# KiCad board 8851_HW-U1-VCU118_REV2-0_071417.kicad_pcb (continued)
## Routing (per net, layer and track width the routed paths; a pad name or vN(x,y) marks a point on that pad's centre or on a via; arc(x,y) is an arc through that point) (continued)
DDR4_C2_DQ40: length 37.4
  TOP w0.15: 152.71,74.17 v1(152.32,74.56) ; v2(137.04,78.59) 136.55,78.09
  05_SIG2 w0.17: v1(152.32,74.56) 151.72,73.96 151.54,73.96 ; 140.1,77.3 139.95,77.46 139.65,77.46 139.31,77.11 138.81,77.11 138.52,77.4 138.52,77.8 138.23,78.09 137.81,78.09 137.32,78.59 v2(137.04,78.59)
  05_SIG2 w0.258: 151.54,73.96 149.86,73.96 149.28,74.54 148.62,74.54 148.21,74.14 147.92,74.14 147.02,75.03 141.32,75.03 141.14,75.22 141.14,75.57 141.28,75.71 147.66,75.71 147.8,75.86 147.8,76.61 147.66,76.76 146.57,76.76 146.16,76.35 141.6,76.35 141.35,76.59 141.35,77.32 141.22,77.46 140.91,77.46 140.71,77.26 140.71,75.86 140.58,75.73 140.31,75.73 140.1,75.94 140.1,77.3
DDR4_C2_DQ41: length 38.3
  TOP w0.15: v2(138.03,79.57) 137.54,79.08 ; 153.5,78.1 v1(153.11,78.5)
  05_SIG2 w0.17: v2(138.03,79.57) 138.27,79.57 138.76,79.08 140.22,79.08 140.38,78.92 ; v1(153.11,78.5) 152.71,78.1 152.71,77.55 152.72,77.54 152.94,77.32 153.27,77.32 153.5,77.09 153.5,76.58 153.59,76.49 154.23,76.49 154.32,76.4 154.32,76.06 154.24,75.98 153.99,75.98 153.91,75.9 153.91,75.69 153.75,75.53 153.61,75.53 153.37,75.77 153.2,75.77 152.96,75.53 151.63,75.53 151.54,75.63
  05_SIG2 w0.258: 140.38,78.92 140.5,78.79 142.35,78.79 142.64,78.51 143.99,78.51 144.13,78.38 144.73,78.38 144.86,78.51 145.52,78.51 145.82,78.21 146.44,78.21 146.6,78.38 146.6,78.65 146.49,78.76 146.22,78.76 146.06,78.92 146.06,79.2 146.17,79.31 146.79,79.31 146.92,79.45 146.92,79.72 146.78,79.86 146.33,79.86 146.2,80 146.2,80.27 146.34,80.41 146.89,80.41 147.01,80.54 147.01,80.82 146.87,80.96 146.12,80.96 145.98,81.1 145.98,81.44 146.14,81.6 146.94,81.6 147.07,81.73 147.07,81.83 147.21,81.97 147.49,81.97 147.62,81.83 147.62,81.4 147.81,81.22 148.16,81.22 148.5,81.55 149.01,81.55 149.19,81.73 149.19,81.82 149.34,81.98 149.62,81.98 149.74,81.85 149.74,81.73 149.88,81.6 151.04,81.6 151.34,81.29 151.34,80.49 151.03,80.17 150.37,80.17 150.2,79.99 150.2,76.67 150.43,76.43 150.9,76.43 151.35,75.99 151.35,75.82 151.54,75.63
DDR4_C2_DQ42: length 33.7
  TOP w0.15: 154.29,74.17 v1(153.9,74.56) ; v2(136.06,80.55) 135.57,80.06
  05_SIG2 w0.17: v2(136.06,80.55) 135.57,80.06 135.57,79.37 135.86,79.08 136.26,79.08 136.55,78.79 136.55,78.38 136.84,78.09 137.25,78.09 137.54,77.8 137.54,77.4 137.82,77.11 138.23,77.11 138.52,76.82 138.52,76.41 138.81,76.12 139.18,76.12 140.27,75.03 140.38,75.03 ; 151.54,72.89 152.03,73.38 153.38,73.38 153.5,73.5 153.5,74.17 v1(153.9,74.56)
  05_SIG2 w0.258: 151.54,72.89 151.31,72.67 149.95,72.67 149.21,73.41 147.46,73.41 146.48,74.39 142.77,74.39 142.64,74.26 142.64,73.99 142.78,73.85 145.93,73.85 146.07,73.71 146.07,73.47 145.89,73.3 142.11,73.3 140.38,75.03
DDR4_C2_DQ43: length 34.8
  TOP w0.15: v2(137.04,81.54) 136.55,81.05 ; 154.29,77.32 v1(153.9,76.92)
  05_SIG2 w0.17: 152.71,80.01 152.71,79.12 152.95,78.89 153.33,78.89 153.5,78.72 153.5,78.25 153.65,78.1 154.14,78.1 154.29,77.96 154.29,77.32 v1(153.9,76.92) ; 140.38,80.98 140.05,80.98 139.94,81.09 139.94,81.73 139.88,81.79 139.61,81.79 139.52,81.7 139.52,81.14 139.43,81.05 137.54,81.05 v2(137.04,81.54)
  05_SIG2 w0.258: 152.71,80.01 152.71,80.63 152.92,80.84 153.92,80.84 154.27,81.19 154.27,81.69 153.81,82.15 152.99,82.15 150.81,84.33 147.53,84.33 147.32,84.12 147.32,83.9 147.18,83.77 146.91,83.77 146.77,83.9 146.77,84.16 146.63,84.3 146.36,84.3 146.22,84.16 146.22,83.9 146.08,83.77 145.81,83.77 145.67,83.9 145.67,84.16 145.53,84.3 145.26,84.3 145.12,84.16 145.12,83.9 144.98,83.77 144.39,83.77 143.83,84.32 142.73,84.32 141.65,83.24 141.65,81.1 141.53,80.98 141.18,80.98 141.08,81.08 141.08,81.79 140.96,81.91 140.65,81.91 140.5,81.76 140.5,81.08 140.4,80.98 140.38,80.98
DDR4_C2_DQ44: length 36.2
  TOP w0.15: v2(135.08,79.57) 134.58,79.08 ; 154.29,73.38 v1(153.9,72.99)
  05_SIG2 w0.17: v2(135.08,79.57) 135.08,79.35 135.57,78.86 135.57,78.38 135.86,78.09 136.26,78.09 136.55,77.8 136.55,77.4 136.84,77.11 137.25,77.11 137.54,76.82 137.54,76.41 137.82,76.12 138.23,76.12 138.52,75.84 138.52,75.43 138.81,75.14 139.22,75.14 140.38,73.98 ; v1(153.9,72.99) 153.9,72.81 153.5,72.42 153.5,71.76
  05_SIG2 w0.258: 140.38,73.98 142.8,71.56 143.56,71.56 143.7,71.69 143.7,72.52 143.84,72.66 147.05,72.66 147.18,72.52 147.18,72.25 147.04,72.11 144.39,72.11 144.25,71.97 144.25,71.69 144.39,71.56 147.65,71.56 147.81,71.72 147.81,72.58 147.96,72.72 148.8,72.72 149.01,72.51 149.01,72.13 149.42,71.72 149.88,71.72 150.44,71.16 151.37,71.16 151.59,70.93 151.59,70.68 151.82,70.45 152.14,70.45 152.37,70.68 152.37,70.93 152.59,71.16 153.12,71.16 153.5,71.54 153.5,71.76
DDR4_C2_DQ45: length 37.5
  TOP w0.15: 154.29,78.1 v1(153.9,78.5) ; v2(135.08,80.55) 134.58,80.06
  05_SIG2 w0.17: 140.38,73.04 139.26,74.16 138.81,74.16 138.52,74.44 138.52,74.85 138.23,75.14 137.82,75.14 137.54,75.43 137.54,75.84 137.25,76.12 136.84,76.12 136.55,76.41 136.55,76.82 136.26,77.11 135.86,77.11 135.57,77.4 135.57,77.8 135.28,78.09 134.87,78.09 134.58,78.38 134.58,79.81 135.08,80.3 v2(135.08,80.55) ; v1(153.9,78.5) 154.29,78.89 154.86,78.89 155.08,78.68 155.08,75.52 154.29,74.73 154.29,71.76
  05_SIG2 w0.258: 154.29,71.76 154.29,71.45 152.83,70 150.26,70 149.12,71.13 148.14,71.13 147.92,70.92 142.5,70.92 140.38,73.04
DDR4_C2_DQ46: length 38.9
  TOP w0.15: v2(136.06,79.57) 135.57,79.08 ; 155.08,74.17 v1(154.68,74.56)
  05_SIG2 w0.17: 140.38,84.12 139.27,83.01 138.81,83.01 138.52,82.73 138.52,82.32 138.23,82.03 136.84,82.03 136.55,81.74 136.55,80.06 v2(136.06,79.57) ; 156.09,80.01 156.65,79.45 156.65,73.61 156.42,73.38 156.09,73.38 155.86,73.15 155.86,72.82 155.63,72.59 155.31,72.59 155.08,72.82 155.08,74.17 v1(154.68,74.56)
  05_SIG2 w0.258: 156.09,80.01 156.09,80.74 155.5,81.33 155.5,81.84 151.66,85.68 141.94,85.68 140.38,84.12
DDR4_C2_DQ47: length 37.8
  TOP w0.15: 155.08,77.32 v1(154.68,76.92) ; v2(137.04,79.57) 136.55,79.08
  05_SIG2 w0.17: v1(154.68,76.92) 154.68,75.62 154.12,75.05 152.03,75.05 151.74,74.76 151.54,74.76 ; 140.38,78.09 138.81,78.09 138.52,78.38 138.52,78.79 138.23,79.08 137.54,79.08 v2(137.04,79.57)
  05_SIG2 w0.258: 151.54,74.76 151.4,74.76 151.02,75.14 150.59,75.14 150.42,75.31 149.4,75.31 148.98,75.72 148.98,76.01 149.35,76.38 149.35,76.65 148.94,77.06 148.94,77.37 149.43,77.86 149.43,78.22 149.33,78.32 149.05,78.32 148.91,78.46 148.91,78.74 149.03,78.87 149.4,78.87 149.55,79.02 149.55,79.29 149.43,79.42 149.07,79.42 148.93,79.56 148.93,79.84 149.06,79.97 149.28,79.97 149.55,80.23 149.55,80.65 149.41,80.78 149,80.78 148.87,80.65 148.87,80.49 148.76,80.39 147.76,80.39 147.59,80.21 147.59,79.4 147.88,79.11 147.88,78.59 147.59,78.3 147.59,77.6 147.4,77.41 146.04,77.41 145.93,77.3 145.93,77.14 145.78,76.99 145.51,76.99 145.38,77.11 145.38,77.59 145.24,77.73 144.96,77.73 144.83,77.6 144.83,77.14 144.68,76.99 144.41,76.99 144.28,77.11 144.28,77.59 144.14,77.73 143.86,77.73 143.73,77.6 143.73,77.14 143.58,76.99 143.31,76.99 143.18,77.11 143.18,77.72 143.04,77.87 142.77,77.87 142.63,77.73 142.63,77.14 142.48,76.99 142.21,76.99 142.08,77.11 142.08,77.93 141.92,78.09 140.38,78.09
DDR4_C2_DQ48: length 73
  TOP w0.15: 134.58,77.11 v2(135.08,77.6) ; 157.44,87.25 v1(157.05,86.86)
  07_SIG3 w0.17: 129.66,88.08 129.66,79.44 130.03,79.08 130.36,79.08 130.65,78.79 130.65,78.38 130.93,78.09 131.34,78.09 131.63,77.8 131.63,77.4 131.92,77.11 132.33,77.11 132.62,76.82 132.62,76.41 132.9,76.12 133.31,76.12 133.6,75.84 133.6,75.43 133.89,75.14 134.3,75.14 134.58,75.43 134.58,75.84 134.87,76.12 135.28,76.12 135.57,76.41 135.57,76.82 135.08,77.31 v2(135.08,77.6) ; v1(157.05,86.86) 157.05,86.63 157.44,86.24 157.44,85.91 157.67,85.68 158.84,85.68 159.57,86.41 159.57,86.85 159.98,87.25 160.36,87.25 160.59,87.48 160.59,87.81 160.82,88.04 161.16,88.04 161.38,88.26 161.38,93.88
  07_SIG3 w0.258: 161.38,93.88 157.2,98.06 154.66,98.06 153.94,98.77 146.98,98.77 146.84,98.64 141.89,98.64 141.62,98.9 140.53,98.9 138.04,96.41 135.22,96.41 129.66,90.86 129.66,88.08
DDR4_C2_DQ49: length 72.9
  TOP w0.15: 134.58,78.09 v2(135.08,78.59) ; 156.65,91.19 v1(156.26,90.8)
  07_SIG3 w0.17: 130.57,89.52 130.57,87.73 130.65,87.66 130.65,79.44 131.01,79.08 131.23,79.08 131.63,78.68 131.63,78.45 131.99,78.09 132.24,78.09 132.62,77.71 132.62,77.49 133,77.11 133.25,77.11 133.6,76.76 133.6,76.41 133.89,76.12 134.3,76.12 134.58,76.41 134.58,78.09 v2(135.08,78.59) ; v1(156.26,90.8) 156.65,91.19 158,91.19 158.23,90.96 158.23,87.48 158,87.25 157.67,87.25 157.44,87.02 157.44,86.7 157.67,86.47 158.78,86.47 159.15,86.83 159.15,87.16 160.03,88.04 160.36,88.04 160.59,88.27 160.59,93.77 160.48,93.88
  07_SIG3 w0.258: 130.57,89.52 130.57,90.87 135.47,95.77 138.59,95.77 140.46,97.63 144.13,97.63 144.34,97.41 144.92,97.41 145.52,98.01 147.1,98.01 147.23,98.14 153.68,98.14 154.22,97.6 154.22,97.27 154.67,96.82 157.54,96.82 160.48,93.88
  vias: v1(157.05,87.65)
DDR4_C2_DQ50: length 69.4
  TOP w0.15: 158.23,88.04 v1(157.83,88.43) ; v2(134.09,80.55) 133.6,80.06
  07_SIG3 w0.17: v2(134.09,80.55) 134.01,80.47 134.01,80.2 134.18,80.03 135.33,80.03 135.57,80.27 135.57,80.92 135.69,81.05 136.26,81.05 136.55,81.33 136.55,81.78 136.81,82.03 137.25,82.03 137.54,82.32 137.54,82.76 137.8,83.02 138.3,83.02 138.57,83.3 138.57,83.6 138.22,83.95 137.83,83.95 137.54,84.25 137.54,86.81 137.65,86.92 138.35,86.92 138.53,86.75 138.53,84.17 138.72,83.97 139.28,83.97 139.5,83.75 139.72,83.75 139.95,83.98 139.95,84.22 139.82,84.35 139.6,84.35 139.47,84.47 139.47,84.69 139.57,84.79 140.27,84.79 140.37,84.89 140.37,85.03 140.23,85.17 139.57,85.17 139.47,85.27 139.47,85.42 139.8,85.75 139.8,86.63 139.65,86.77 139.38,86.77 139.3,86.7 139.3,86.1 139.21,86.01 139.01,86.01 138.89,86.13 138.89,87.03 139.02,87.16 139.23,87.16 139.6,87.52 139.97,87.52 140.22,87.28 140.22,85.72 140.38,85.57 140.38,85.57 ; 151.54,89.45 151.55,89.46 154.95,89.46 155.08,89.6 155.08,90.27 155.21,90.39 155.43,90.39 155.56,90.26 155.56,89.62 155.68,89.49 155.87,89.49 155.97,89.6 155.97,89.8 156.15,89.97 156.3,89.97 156.4,89.88 156.4,89.67 156.52,89.55 156.82,89.55 156.97,89.7 157.46,89.7 157.54,89.78 157.54,90.19 157.63,90.28 157.76,90.28 157.88,90.16 157.88,88.96 157.76,88.85 157.65,88.85 157.54,88.95 157.54,89.2 157.44,89.3 157.37,89.3 157.28,89.21 157.28,88.77 157.45,88.6 157.45,88.46 157.57,88.34 157.74,88.34 v1(157.83,88.43)
  07_SIG3 w0.258: 140.38,85.57 140.59,85.57 140.74,85.72 140.74,86.97 140.89,87.12 141.1,87.12 141.25,86.97 141.25,85.98 141.41,85.83 141.62,85.83 141.77,85.98 141.77,86.97 141.92,87.12 142.13,87.12 142.28,86.97 142.28,85.98 142.44,85.83 142.65,85.83 142.8,85.98 142.8,86.97 142.95,87.12 143.16,87.12 143.31,86.97 143.31,85.98 143.47,85.83 143.68,85.83 143.83,85.98 143.83,86.97 143.98,87.12 144.19,87.12 144.34,86.97 144.34,85.98 144.5,85.83 144.71,85.83 144.86,85.98 144.86,86.97 145.01,87.12 145.22,87.12 145.37,86.97 145.37,85.98 145.53,85.83 145.74,85.83 145.89,85.98 145.89,86.97 146.04,87.12 146.57,87.12 146.78,86.92 146.78,86.76 146.4,86.38 146.4,85.97 146.55,85.83 147.22,85.83 147.41,86.01 147.41,86.77 148.25,87.61 150.91,87.61 151.03,87.72 151.03,89.06 151.42,89.45 151.54,89.45
DDR4_C2_DQ51: length 70.4
  TOP w0.15: 158.23,91.19 v1(157.83,90.8) ; v2(134.09,81.54) 133.6,81.05
  07_SIG3 w0.17: 151.54,91.38 151.54,91.98 151.66,92.09 151.82,92.09 151.9,92.01 151.9,91.37 152.08,91.19 152.6,91.19 152.71,91.31 152.71,93.41 152.9,93.59 155.73,93.59 155.86,93.46 155.86,92.99 155.64,92.77 153.63,92.77 153.5,92.64 153.5,91.35 153.66,91.19 154.06,91.19 154.29,91.42 154.29,91.81 154.45,91.98 155.63,91.98 155.86,91.75 155.86,90.5 155.98,90.38 156.47,90.38 156.57,90.47 156.71,90.47 156.85,90.33 156.85,90.19 156.97,90.07 157.1,90.07 157.19,90.17 157.19,90.31 157.68,90.8 v1(157.83,90.8) ; v2(134.09,81.54) 134.54,81.54 134.62,81.62 134.62,81.85 134.81,82.03 135.28,82.03 135.57,82.32 135.57,82.83 135.76,83.02 136.28,83.02 136.51,83.25 136.51,83.74 136.25,84 135.67,84 135.57,84.1 135.57,87.56 135.25,87.87 135.25,88.01 136.71,89.47 137.1,89.47 137.15,89.52 ; 138.17,89.51 138.15,89.52
  07_SIG3 w0.258: 137.15,89.52 137.47,89.84 137.83,89.84 138.15,89.52 ; 138.17,89.51 147.94,89.51 148.09,89.66 148.09,89.87 147.94,90.02 138.53,90.02 138.13,90.42 138.13,90.74 138.38,90.99 138.69,90.99 139.14,90.55 148.97,90.55 149.12,90.4 149.12,89.53 149.35,89.31 149.55,89.31 149.71,89.46 149.71,90.38 149.88,90.55 150.72,90.55 151.54,91.38
DDR4_C2_DQ52: length 69
  TOP w0.15: 158.23,87.25 v1(157.83,86.86) ; v2(132.12,81.54) 131.63,81.05
  07_SIG3 w0.17: v2(132.12,81.54) 131.8,81.54 131.63,81.71 131.63,87.59 131.33,87.9 131.06,87.9 130.95,88 130.95,89.13 131.35,89.52 ; 159.59,93.88 159.8,93.67 159.8,90.51 160.15,90.16 160.15,90.01 160.04,89.9 159.76,89.9 159.6,90.06 159.48,90.06 159.39,89.97 159.39,89.6 159.46,89.53 160.12,89.53 160.24,89.41 160.24,89.21 160.16,89.13 159.14,89.13 159.01,89 159.01,88.77 159.1,88.69 159.68,88.69 159.77,88.6 159.77,88.38 159.66,88.27 159.09,88.27 158.95,88.13 158.95,87.93 159.11,87.77 159.11,87.59 158.78,87.25 158.46,87.25 158.06,86.86 v1(157.83,86.86)
  07_SIG3 w0.258: 159.59,93.88 157.28,96.19 154.36,96.19 153.75,96.8 151.06,96.8 150.66,97.2 150.36,97.2 149.97,96.8 149.45,96.8 149.22,97.03 147.23,97.03 146.9,97.36 146.66,97.36 146.41,97.1 146.19,97.1 145.94,97.36 145.77,97.36 145.06,96.65 143.97,96.65 143.62,96.99 140.72,96.99 138.76,95.03 138.18,95.03 138.03,94.88 138.03,94.63 137.88,94.47 137.66,94.47 137.51,94.63 137.51,94.96 137.34,95.13 137.14,95.13 137.01,95 137.01,94.8 136.86,94.65 136.65,94.65 136.5,94.8 136.5,95 136.38,95.12 135.85,95.12 135.58,94.84 135.58,94.63 136.05,94.16 136.05,93.95 135.9,93.8 135.68,93.8 135.15,94.33 134.94,94.33 134.79,94.18 134.79,93.97 135.32,93.43 135.32,93.22 135.17,93.07 134.96,93.07 134.42,93.6 134.21,93.6 134.06,93.45 134.06,93.24 134.59,92.7 134.59,92.49 134.44,92.34 134.23,92.34 133.69,92.87 133.48,92.87 133.33,92.72 133.33,92.51 133.86,91.98 133.86,91.76 133.71,91.61 133.5,91.61 132.97,92.15 132.75,92.15 132.6,92 132.6,91.78 133.13,91.25 133.13,91.03 132.98,90.88 132.77,90.88 132.24,91.42 132.02,91.42 131.87,91.27 131.87,91.05 132.41,90.52 132.41,90.31 132.26,90.16 132.04,90.16 131.55,90.65 131.34,90.65 131.22,90.53 131.22,90.23 131.47,89.97 131.47,89.65 131.35,89.52
DDR4_C2_DQ53: length 69.3
  TOP w0.15: v2(133.11,81.54) 132.62,81.05 ; 158.23,91.98 v1(157.83,92.37)
  07_SIG3 w0.17: 157.91,93.74 158.23,93.42 158.23,93 157.83,92.61 v1(157.83,92.37) ; v2(133.11,81.54) 133.11,81.99 133.17,82.06 133.52,82.06 133.6,82.14 133.6,82.87 133.78,83.05 134.34,83.05 134.53,83.24 134.53,83.74 134.29,83.98 133.79,83.98 133.6,84.17 133.6,87.66 133.84,87.91 134.09,87.91 134.2,88.01 134.2,88.15 133.69,88.66 133.55,88.66 133.42,88.53 133.42,88.39 133.54,88.27 133.54,88.13 133.44,88.03 133.29,88.03 133.18,88.14 133.04,88.14 132.86,87.96 132.72,87.96 132.62,88.06 132.62,88.2 132.91,88.5 132.91,88.71 133.02,88.82 133.23,88.82 133.31,88.9 133.31,89.04 133.11,89.24 133.11,89.37 133.21,89.47 133.36,89.47 134.44,88.4 134.58,88.4 134.82,88.63 134.82,88.77 134.42,89.17 134.42,89.31 134.52,89.41 134.66,89.41 135.06,89.01 135.2,89.01 135.38,89.2 135.38,89.32 135.22,89.48 135.22,89.63 135.47,89.88
  07_SIG3 w0.258: 157.91,93.74 157.47,94.18 157.23,94.18 157.08,94.03 156.84,94.03 156.69,94.19 156.69,94.35 156.89,94.55 156.89,94.76 156.72,94.92 153.75,94.92 153.17,95.51 150.76,95.51 150.2,94.95 150.2,91.95 150.09,91.83 149.73,91.83 149.62,91.94 149.62,94.74 149.46,94.9 149.24,94.9 149.07,94.74 149.07,91.98 148.93,91.83 148.68,91.83 148.53,91.99 148.53,95.16 148.35,95.34 147.77,95.34 147.6,95.17 147.6,95 147.93,94.67 147.93,93.16 147.61,92.85 147.61,92.64 147.72,92.53 147.72,92.32 147.57,92.17 147.36,92.17 147.25,92.28 147.04,92.28 146.59,91.83 145.2,91.83 144.69,92.34 144.48,92.34 144.08,91.94 143.86,91.94 143.71,92.09 143.71,92.3 144.11,92.7 144.11,92.92 143.9,93.13 143.9,93.95 143.79,94.07 143.36,94.07 143.22,94.21 143.22,94.47 143.4,94.65 143.9,94.65 144.1,94.85 144.1,95.08 143.95,95.23 142.65,95.23 142.64,95.24 141.34,95.24 140.49,94.39 140.49,93.54 139.94,92.99 138.57,92.99 135.47,89.88
DDR4_C2_DQ54: length 72.2
  TOP w0.15: v2(133.11,79.57) 132.62,79.08 ; 159.01,88.04 v1(158.62,88.43)
  07_SIG3 w0.17: 158.67,93.88 159.01,93.54 159.01,92.89 158.89,92.77 158.46,92.77 158.23,92.54 158.23,92.21 158.46,91.98 158.89,91.98 159.01,91.85 159.01,90.45 158.91,90.35 158.67,90.35 158.57,90.26 158.57,90.06 158.67,89.96 158.94,89.96 159.04,89.87 159.04,89.55 158.97,89.48 158.69,89.48 158.62,89.41 v1(158.62,88.43) ; 132.72,89.52 132.6,89.41 131.85,89.41 131.62,89.19 131.62,89.02 131.72,88.92 132.5,88.92 132.6,88.82 132.6,88.68 132.5,88.58 131.64,88.58 131.52,88.46 131.52,88.21 131.7,88.02 132.2,88.02 132.62,87.61 132.62,84.24 132.85,84 133.31,84 133.57,83.74 133.57,83.31 133.25,82.99 132.75,82.99 132.62,82.85 132.62,81.19 132.45,81.02 131.82,81.02 131.62,80.83 131.62,79.27 131.82,79.08 132.35,79.08 132.55,79.28 132.55,80 132.68,80.12 132.97,80.12 133.11,79.99 v2(133.11,79.57)
  07_SIG3 w0.258: 158.67,93.88 156.99,95.56 154.1,95.56 153.72,95.94 153.49,96.17 150.49,96.17 149.88,95.55 149.18,95.55 148.76,95.97 147.28,95.97 146.79,96.46 146.05,96.46 145.58,95.99 143.9,95.99 143.77,95.86 142.91,95.86 142.75,96.02 142.75,96.17 142.6,96.33 142.38,96.33 142.23,96.17 142.23,96.02 142.08,95.87 141.87,95.87 141.72,96.02 141.72,96.2 141.57,96.35 141.35,96.35 141.2,96.2 141.2,96.02 140.61,95.42 140.06,95.42 139.71,95.08 139.71,94.7 139.85,94.56 139.85,93.8 139.73,93.68 139.3,93.68 139.22,93.75 139.22,94.2 139.07,94.35 138.77,94.35 138.63,94.22 138.63,93.95 137.91,93.22 137.65,93.22 137.39,93.49 137.39,93.84 137.2,94.02 137,94.02 136.61,93.63 136.61,93.41 137.23,92.79 137.23,92.58 137.08,92.43 136.87,92.43 136.25,93.05 136.03,93.05 135.88,92.9 135.88,92.69 136.5,92.07 136.5,91.85 136.35,91.7 136.14,91.7 135.52,92.32 135.31,92.32 135.15,92.17 135.15,91.96 135.77,91.34 135.77,91.12 135.62,90.97 135.41,90.97 134.79,91.59 134.58,91.59 134.43,91.44 134.43,91.23 135.05,90.61 135.05,90.4 134.9,90.25 134.68,90.25 134.06,90.87 133.85,90.87 133.7,90.71 133.7,90.5 134.32,89.88 134.32,89.67 134.17,89.52 133.95,89.52 133.33,90.14 133.12,90.14 132.97,89.99 132.97,89.77 132.72,89.52
DDR4_C2_DQ55: length 72.1
  TOP w0.15: 159.01,91.19 v1(158.62,90.8) ; v2(133.11,80.55) 132.62,80.06
  07_SIG3 w0.17: v2(133.11,80.55) 132.87,80.8 132.87,80.98 132.99,81.1 133.35,81.1 133.6,81.35 133.6,81.74 133.89,82.03 134.3,82.03 134.58,82.32 134.58,82.9 134.73,83.05 135.35,83.05 135.55,83.24 135.55,83.73 135.3,83.98 134.75,83.98 134.58,84.15 134.58,87.81 136.07,89.3 136.07,89.57 ; 151.52,92.47 151.75,92.47 151.88,92.6 151.88,93.52 151.72,93.67 151.55,93.67 151.45,93.58 151.45,93 151.35,92.9 150.93,92.9 150.8,93.02 150.8,93.25 151.07,93.52 151.07,93.83 150.8,94.1 150.8,94.7 150.95,94.85 151.18,94.85 151.3,94.72 151.65,94.72 151.78,94.85 152.03,94.85 152.12,94.75 152.12,94.4 151.97,94.25 151.97,93.95 152.24,93.69 152.43,93.69 152.53,93.79 152.53,94.78 152.63,94.88 152.95,94.88 153.1,94.73 153.1,94.57 152.87,94.35 152.87,94.04 152.97,93.94 153.16,93.94 153.26,94.04 153.26,94.28 153.35,94.38 153.54,94.38 153.64,94.28 153.64,94.04 153.74,93.94 153.91,93.94 154.01,94.04 154.01,94.23 154.11,94.33 154.3,94.33 154.4,94.23 154.4,94.04 154.5,93.94 154.68,93.94 154.78,94.04 154.78,94.23 154.88,94.33 155.08,94.33 155.18,94.23 155.18,94.05 155.28,93.94 155.49,93.94 155.58,94.03 155.58,94.22 155.67,94.31 155.88,94.31 155.99,94.21 155.99,94.02 156.41,93.6 157.35,93.6 157.44,93.51 157.44,92.89 157.32,92.77 156.09,92.77 155.86,92.53 155.86,92.21 156.09,91.98 158,91.98 158.23,91.75 158.23,91.42 158.62,91.03 v1(158.62,90.8)
  07_SIG3 w0.258: 151.52,92.47 151.2,92.47 150.99,92.27 150.99,91.73 150.46,91.2 148.4,91.2 148.03,91.58 147.8,91.58 147.43,91.2 143.7,91.2 143.24,91.65 142.71,91.65 142.26,91.2 139.39,91.2 139.16,91.43 139.16,91.65 139.31,91.8 142.18,91.8 142.35,91.98 142.35,92.2 142.23,92.32 141.25,92.32 141.16,92.41 141.16,92.58 141.52,92.94 142.31,92.94 142.71,92.54 143.04,92.54 143.26,92.75 143.26,93.23 142.99,93.49 141.97,93.49 141.82,93.64 141.82,93.86 141.97,94.01 142.46,94.01 142.56,94.1 142.56,94.51 142.46,94.61 141.63,94.61 141.12,94.1 141.12,93.27 140.6,92.75 140.6,92.47 140.47,92.35 138.84,92.35 136.07,89.57
DDR4_C2_DQ56: length 57.7
  TOP w0.15: 131.63,76.12 v2(132.12,76.62) ; 152.71,88.04 v1(152.32,88.43)
  14_SIG4 w0.087: v1(152.32,88.43) 152.71,88.04 152.71,85.63 ; v2(132.12,76.62) 132.12,76.91 132.62,77.4 132.62,77.8 132.9,78.09 133.31,78.09 133.6,78.38 133.6,78.79 133.89,79.08 134.3,79.08 134.58,79.37 134.58,79.77 134.87,80.06 135.28,80.06 135.57,80.35 135.57,80.76 135.86,81.05 136.26,81.05 136.55,81.33 136.55,81.74 136.82,82.01 140.36,82.01 140.37,82.02 140.38,82.02
  14_SIG4 w0.138: 140.38,82.02 144.19,82.02 146.01,80.2 146.77,80.2 146.96,80.01 146.96,78.71 147.15,78.52 147.52,78.52 147.71,78.71 147.71,80.28 147.91,80.48 148.87,80.48 149.07,80.28 149.07,77.28 149.26,77.09 149.63,77.09 149.82,77.28 149.82,80.01 150.01,80.2 151.16,80.2 151.56,79.8 157.56,79.8 158,80.24 158,83.2 158.19,83.38 158.5,83.38 158.69,83.57 158.69,83.95 158.5,84.13 158,84.13 157.86,84.27 157.86,84.62 158.02,84.79 158.49,84.79 158.59,84.9 158.59,85.4 158.44,85.56 154.6,85.56 154.38,85.34 154.38,85.04 154.19,84.86 153.82,84.86 153.63,85.04 153.63,85.21 153.44,85.4 152.88,85.4 152.71,85.57 152.71,85.63
DDR4_C2_DQ57: length 57.7
  TOP w0.15: 131.63,77.11 v2(132.12,77.6) ; 153.5,91.98 v1(153.11,92.37)
  14_SIG4 w0.087: 151.54,91.19 152.56,91.19 152.71,91.34 152.71,91.98 v1(153.11,92.37) ; v2(132.12,77.6) 132.05,77.6 131.58,78.08 130.89,78.08 130.65,78.32 130.65,78.69 130.96,79 131.42,79 131.63,79.22 131.63,79.77 131.92,80.06 132.33,80.06 132.62,80.35 132.62,80.76 132.9,81.05 133.31,81.05 133.6,81.33 133.6,81.74 133.89,82.03 134.3,82.03 134.58,82.32 134.58,82.73 134.87,83.01 135.28,83.01 135.57,83.3 135.57,83.71 135.86,84 136.26,84 136.55,84.29 136.55,84.69 136.84,84.98 137.25,84.98 137.54,85.27 137.54,85.68 137.82,85.97 139.37,85.97
  14_SIG4 w0.138: 139.37,85.97 139.85,85.97 142.08,83.74 145.54,83.74 145.73,83.54 145.73,82.87 146.3,82.31 147.26,82.31 147.43,82.48 147.43,82.78 147.64,82.99 148.97,82.99 149.19,82.78 149.19,82.5 149.37,82.32 149.74,82.32 149.94,82.51 149.94,83.19 150.23,83.49 150.23,84.22 150,84.45 149.8,84.45 149.66,84.31 149.66,83.81 149.47,83.62 149.09,83.62 148.91,83.8 148.91,84.54 148.61,84.84 147.11,84.84 146.92,84.65 146.92,84.33 147.08,84.17 147.64,84.17 147.77,84.03 147.77,83.69 147.63,83.55 146.54,83.55 146.35,83.74 146.35,84.66 146.16,84.85 145.87,84.85 145.66,84.65 145.66,84.43 145.57,84.33 145.03,84.33 144.83,84.53 144.83,85.29 145.02,85.48 147.31,85.48 148.5,85.48 149.07,85.48 149.82,86.23 149.82,89.59 151.42,91.19 151.54,91.19
DDR4_C2_DQ58: length 53.7
  TOP w0.15: v2(130.15,81.54) 129.66,81.05 ; 154.29,88.04 v1(153.9,88.43)
  14_SIG4 w0.087: 136.55,87.8 136.55,87.24 136.26,86.95 135.86,86.95 135.57,86.66 135.57,86.26 135.28,85.97 134.87,85.97 134.58,85.68 134.58,85.27 134.3,84.98 133.89,84.98 133.6,84.69 133.6,84.29 133.31,84 132.9,84 132.62,83.71 132.62,83.3 132.33,83.01 130.94,83.01 130.65,82.73 130.65,82.32 130.15,81.83 v2(130.15,81.54) ; 153.85,93.67 154.08,93.67 154.29,93.46 154.29,90.56 154.12,90.39 153.45,90.39 153.36,90.29 153.36,90.06 153.45,89.97 154.1,89.97 154.22,89.85 154.22,89.59 154.13,89.5 152.19,89.5 151.54,88.85 ; 152.11,85.63 151.86,85.89 151.86,88.57 152.24,88.96 153.75,88.96 153.9,88.81 v1(153.9,88.43)
  14_SIG4 w0.138: 152.11,85.63 152.92,84.82 152.92,84.57 152.74,84.39 152.53,84.39 152.22,84.69 151.45,85.46 151.45,88.76 151.54,88.85 ; 153.85,93.67 153.48,94.03 151.98,94.03 151.45,93.5 150.67,93.5 149.89,92.73 149.82,92.73 149.74,92.73 149.42,92.73 147.31,90.62 147.31,90.62 147.3,90.61 147.28,90.61 147.28,90.6 143.85,90.6 143.84,90.61 143.7,90.61 143.5,90.4 142.53,90.4 142.29,90.64 139.92,90.64 139.92,90.64 139.35,90.64 139.07,90.64 137.27,88.84 137.27,88.84 136.55,88.12 136.55,87.8
DDR4_C2_DQ59: length 55
  TOP w0.15: 154.29,91.19 v1(153.9,90.8) ; v2(131.14,81.54) 130.65,81.05
  14_SIG4 w0.087: 138.82,86.65 138.53,86.95 137.82,86.95 137.54,86.66 137.54,86.26 137.25,85.97 136.84,85.97 136.55,85.68 136.55,85.27 136.26,84.98 135.86,84.98 135.57,84.69 135.57,84.29 135.28,84 134.87,84 134.58,83.71 134.58,83.3 134.3,83.01 133.89,83.01 133.6,82.73 133.6,82.32 133.31,82.03 132.9,82.03 132.62,81.74 132.62,81.33 132.33,81.05 131.23,81.05 131.14,81.14 v2(131.14,81.54) ; v1(153.9,90.8) 153.59,90.8 153.5,90.89 153.5,92.21 153.5,92.53 153.27,92.76 152.95,92.76 152.16,92.76 151.93,92.53 151.93,92.15 151.74,91.96 151.54,91.96
  14_SIG4 w0.138: 138.82,86.65 141.16,86.65 141.32,86.5 141.32,86.26 141.07,86.01 141.07,85.74 141.31,85.5 141.55,85.5 142.41,86.35 142.41,88.1 142.6,88.29 142.97,88.29 143.16,88.1 143.16,86.2 142.03,85.07 142.03,84.79 142.39,84.43 142.59,84.43 142.98,84.82 143.13,84.82 143.53,84.43 143.88,84.43 144.08,84.63 144.08,84.82 143.52,85.39 143.52,85.7 143.78,85.96 144.06,85.96 144.18,85.84 144.4,85.84 144.73,86.17 145.22,86.17 145.41,86.35 145.41,88.1 145.6,88.29 145.97,88.29 146.16,88.1 146.16,86.35 146.35,86.17 146.62,86.17 146.84,86.38 146.84,88.13 147.01,88.31 147.89,88.31 148.04,88.15 148.04,87.38 147.87,87.2 147.63,87.2 147.43,87 147.43,86.34 147.6,86.17 148.79,86.17 149.13,86.52 149.13,89.88 151.21,91.96 151.54,91.96